# Altium PCB DI544.PcbDoc (part 2 of 7)
Units mil, origin at the board's own origin, x right, y up, seen from the top; angles counter-clockwise.
Board outline 8666.42 x 9192.01 mil, 4 copper layers (Top Layer, Mid-Layer 1, Mid-Layer 2, Bottom Layer), stack 35.6 mil thick; 830 components, 583 nets, 2837 pads, 1326 vias.
Unrouted connection lines stored in the file: 629.
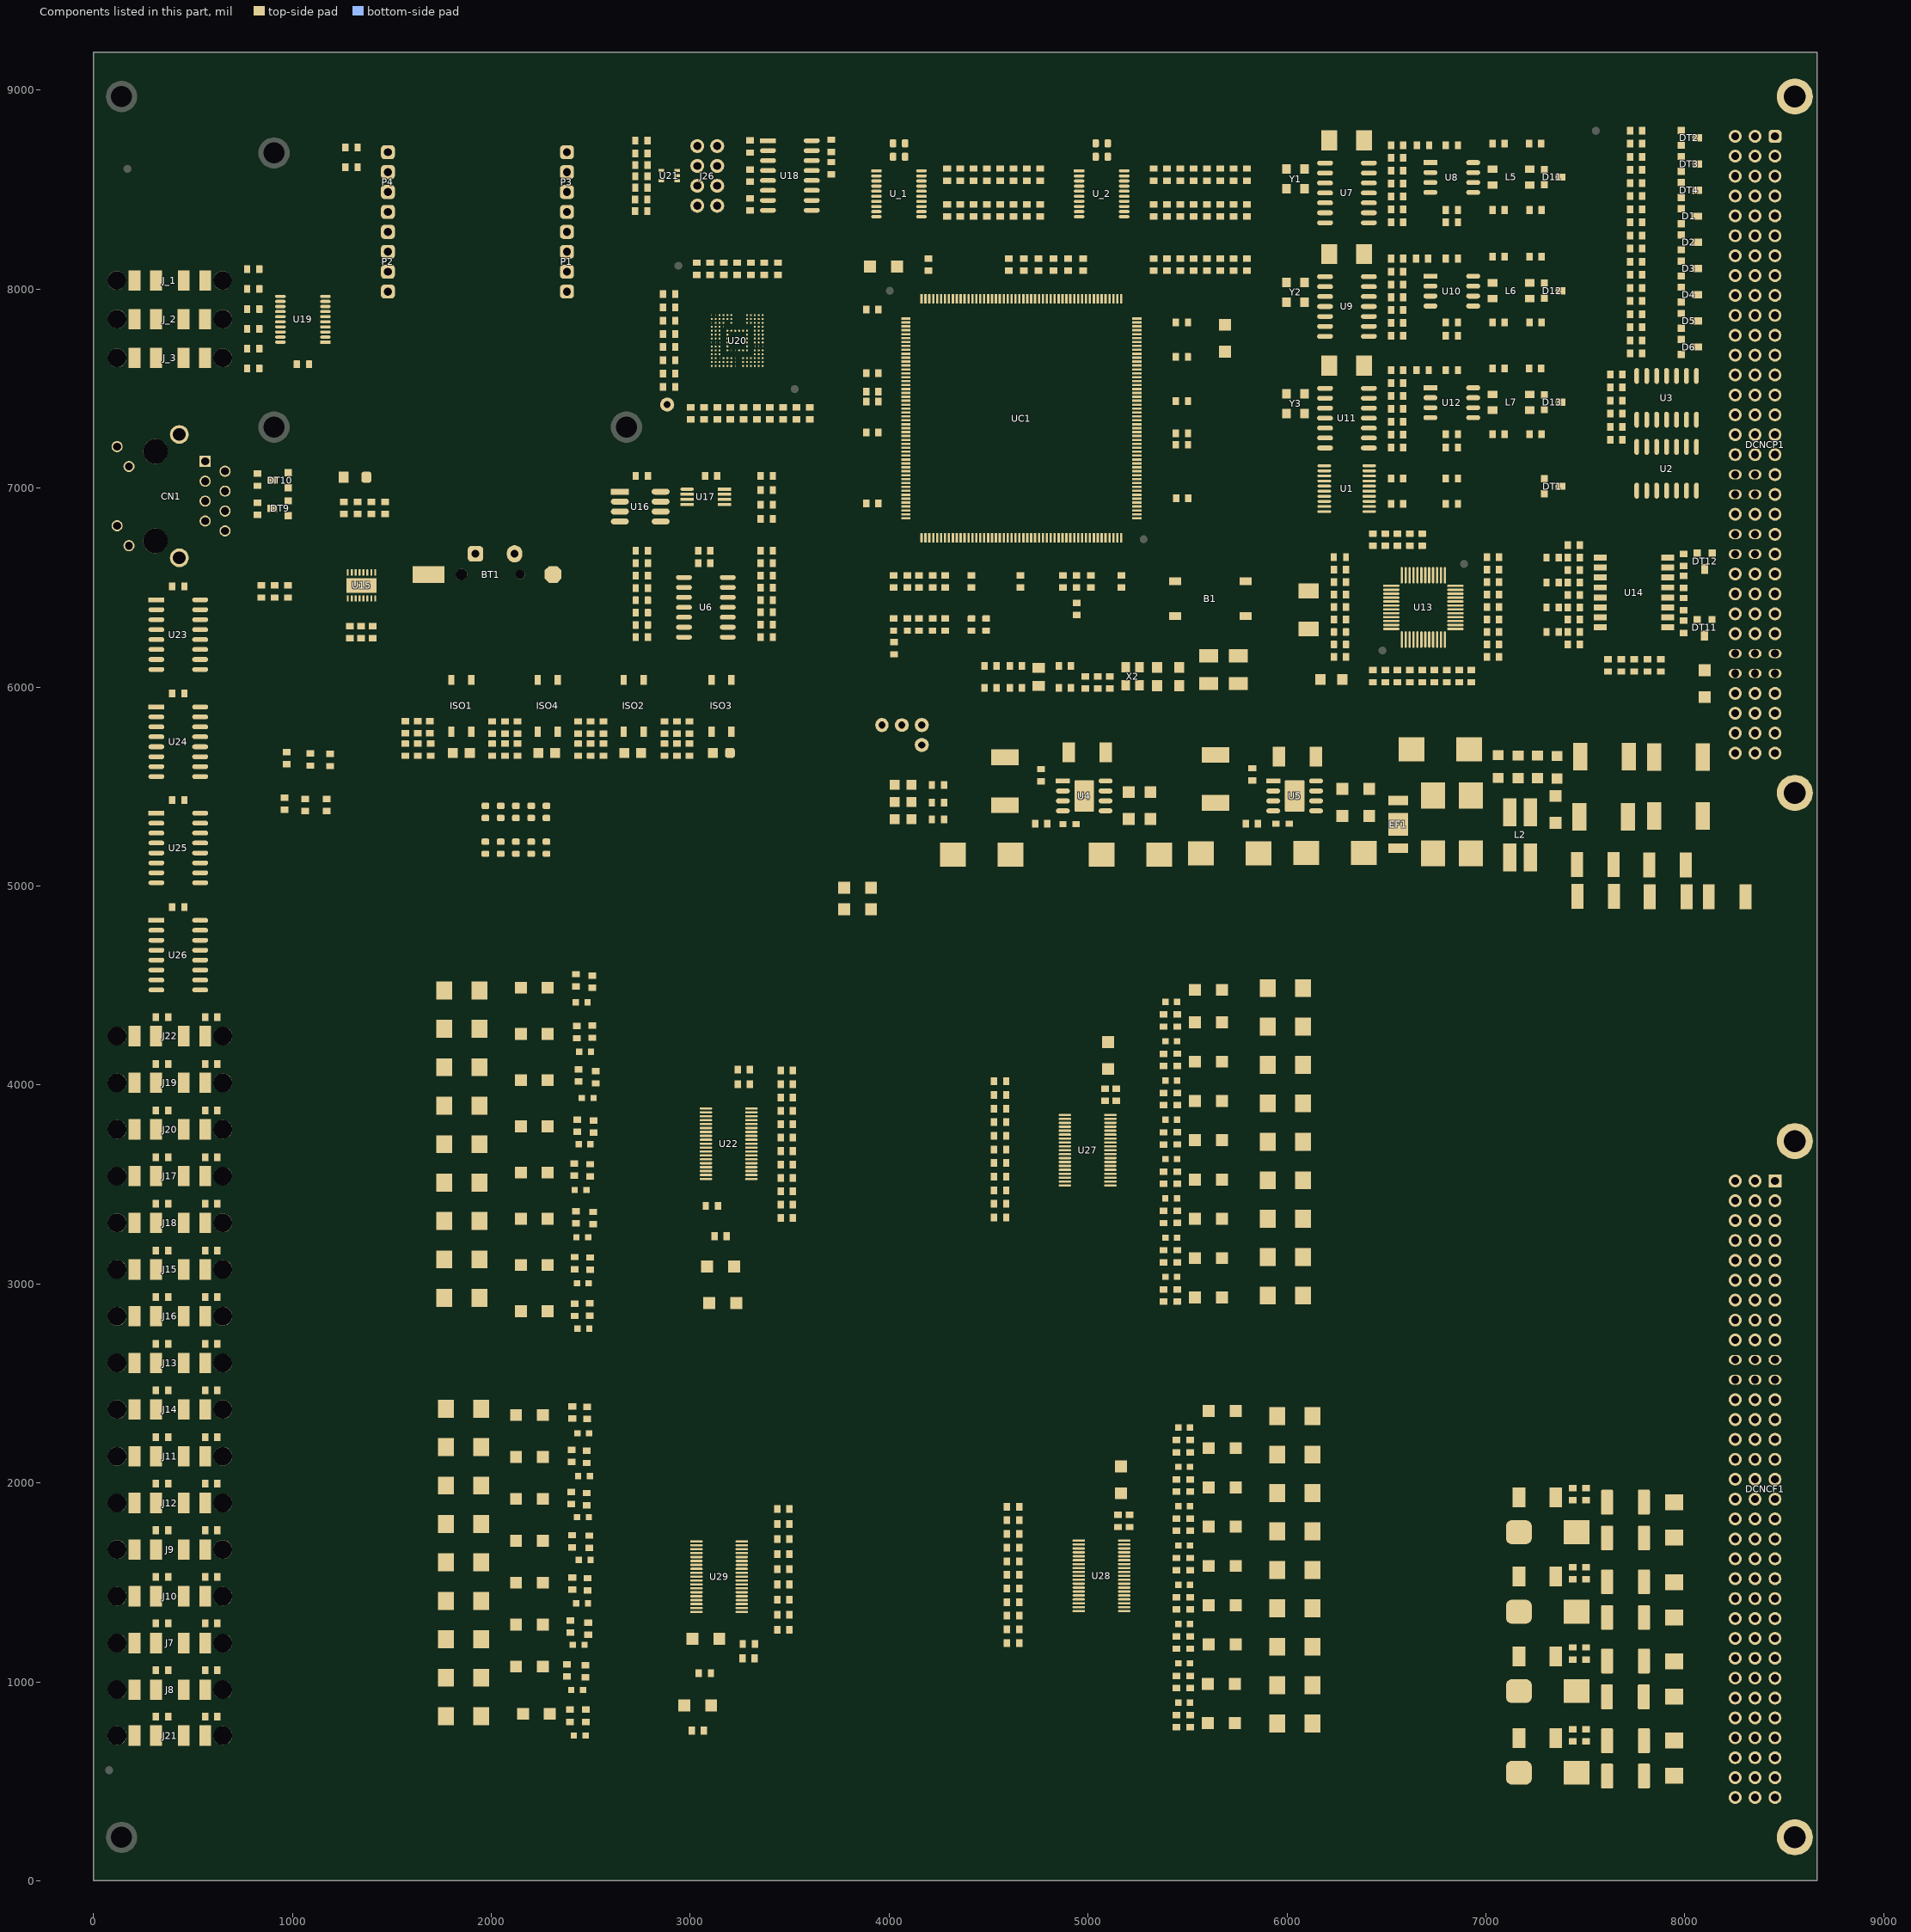
[diagram p4: the components of this part, seen from the top]

## Components (designator, comment, footprint, x,y, rotation, side; value= is the part's Value field where it differs from the comment) (continued)
R354 "1K - 0.5%" "RES 1206" 2027.51,4612.11 r0 top
R355 "1K - 0.5%" "RES 1206" 2027.51,4379.82 r0 top
R356 "1K - 0.5%" "RES 1206" 2027.51,4147.53 r0 top
R357 "1K - 0.5%" "RES 1206" 2027.51,3915.25 r0 top
R358 "1K - 0.5%" "RES 1206" 2027.51,3682.96 r0 top
R359 "1K - 0.5%" "RES 1206" 2027.51,3450.68 r0 top
R360 "1K - 0.5%" "RES 1206" 2027.51,3218.39 r0 top
R361 "1K - 0.5%" "RES 1206" 2027.51,2986.11 r0 top
R362 "4.7K, 1%" "RES 0603"#1 3468.51,1791.23 r180 top
R363 "4.7K, 1%" "RES 0603"#1 3468.51,1867.11 r180 top
R364 "4.7K, 1%" "RES 0603"#1 3468.51,1639.48 r180 top
R365 "1K, 1%" "RES 0603"#1 3468.51,1411.86 r180 top
R366 "1K, 1%" "RES 0603"#1 3467.51,1567.61 r0 top
R367 "1K, 1%" "RES 0603"#1 3468.51,1260.11 r180 top
R368 "1K, 1%" "RES 0603"#1 3467.51,1339.98 r0 top
R369 "4.7K, 1%" "RES 0603"#1 3468.51,1487.73 r180 top
R370 "16K, 1%" "RES 0603"#1 2405.51,2354.11 r90 top
R371 "16K, 1%" "RES 0603"#1 2402.51,2135.11 r90 top
R372 "16K, 1%" "RES 0603"#1 2399.51,1923.11 r90 top
R373 "16K, 1%" "RES 0603"#1 2403.51,1706.11 r90 top
R374 "16K, 1%" "RES 0603"#1 2405.51,1494.11 r90 top
R375 "16K, 1%" "RES 0603"#1 2396.51,1278.11 r90 top
R376 "16K, 1%" "RES 0603"#1 2378.51,1057.11 r90 top
R377 "16K, 1%" "RES 0603"#1 2393.51,829.11 r90 top
R378 "1K - 0.5%" "RES 1206" 2003.51,2464.11 r0 top
R379 "1K - 0.5%" "RES 1206" 2003.51,2253.39 r0 top
R380 "1K - 0.5%" "RES 1206" 2003.51,2042.68 r0 top
R381 "1K - 0.5%" "RES 1206" 2003.51,1831.96 r0 top
R382 "1K - 0.5%" "RES 1206" 2003.51,1621.25 r0 top
R383 "1K - 0.5%" "RES 1206" 2003.51,1410.53 r0 top
R384 "1K - 0.5%" "RES 1206" 2003.51,1199.82 r0 top
R385 "1K - 0.5%" "RES 1206" 2038.51,962.11 r0 top
R386 "0R" "RES 0603"#1 1187,5633 r90 top
R387 "0R" "RES 0603"#1 1088,5635 r90 top
R388 "0R" "RES 0603"#1 970,5642 r90 top
R389 "0R" "RES 0603"#1 1171,5407 r90 top
R390 "0R" "RES 0603"#1 1062,5407 r90 top
R391 "0R" "RES 0603"#1 958,5414 r90 top
RL1 "0R" "RES 0603"#1 5141.13,3951.11 r90 top
RL2 "0R" "RES 0603"#1 5206.13,1808.37 r90 top
RL3 "0R" "RES 0603"#1 3152.51,3242.11 r0 top
RL4 "0R" "RES 0603"#1 3073.51,1045.11 r0 top
RP1 "1K - 0.5%" "RES 1206" 5416.96,4601.1 r0 top
RP2 "1K - 0.5%" "RES 1206" 5486.12,2484.99 r0 top
RP3 "1K - 0.5%" "RES 1206" 3352.51,2781.11 r180 top
RP4 "1K - 0.5%" "RES 1206" 3267.51,1094.11 r180 top
TP1 "Yellow" "TEST Point Yellow"#1 2759.54,7269.93 r90 top
U1 "SN74LVC245A" 74245 6301.03,6997.43 r180 top
U2 "SN74LV14ADR" SO14 8059.25,7207.86 r270 top
U3 "SN74LV14ADR" SO14 8059.25,7564.63 r270 top
U4 "TPS5430DDAR" SOIC8_TERMAL 4981,5453 r0 top
U5 "TPS5430DDAR" SOIC8_TERMAL 6039,5453 r0 top
U6 "CD40106BM96" SO14 2968.55,6551.45 r0 top
U7 "MCP2517FD" SO14 6412.42,8333.53 r180 top
U8 "SN65HVD233D" SOIC8 6721.5,8636.38 r0 top
U9 "MCP2517FD" SO14 6412.42,7762.53 r180 top
U10 "SN65HVD233D" SOIC8 6721.5,8065.38 r0 top
U11 "MCP2517FD" SO14 6412.42,7201.53 r180 top
U12 "SN65HVD233D" SOIC8 6721.5,7504.38 r0 top
U13 "DP83848CVV" LQFP-48_M 6847.23,6292.36 r180 top
U14 "H1102NL" H1102NL 7744.46,6475.84 r0 top
U15 "PCF2131" SON_131TFY_NXP 1347.83,6510.75 r90 top
U16 "CAT24C64WI-GT3" SO8 2646.48,6982.43 r0 top
U17 "TCN75-3.3MUA" MSOP8 2984.29,6994.79 r0 top
U18 "ADM3202ARNZ" SO16 3391.42,8746.3 r0 top
U19 "SN74LV573APWR" TSSOP20 1166.38,7733.82 r180 top
U20 "EMMC04G-MK27-C01C" EMMC 3236.5,7742.12 r0 top value=4GB
U21 "TVS Diodes 25W 6.1V Quad Array" SOT-353 2935.04,8545.28 r180 top
U22 "ISO1228DFBR" SSOP38 3193.51,3705.11 r0 top
U23 "SN74HC595D" SO16 317,6438.64 r0 top
U24 "SN74HC595D" SO16 317,5899.92 r0 top
U25 "SN74HC595D" SO16 317,5366.14 r0 top
U26 "SN74HC595D" SO16 317,4827.43 r0 top
U27 "ISO1228DFBR" SSOP38 4998.02,3672.04 r180 top
U28 "ISO1228DFBR" SSOP38 5068.02,1532.85 r180 top
U29 "ISO1228DFBR" SSOP38 3145.51,1528.91 r0 top
U_1 "SN74LV245APWR" TSSOP20 3936.42,8594.92 r0 top
U_2 "SN74LV245APWR" TSSOP20 4955.62,8594.92 r0 top
UC1 "STM32F769BIT6" LQF208 4689.22,7348.34 r90 top
VDDA "Red" "TEST Point RED"#1 3939.32,5659.24 r90 top
X1 "32.7680KHZ" "Xtal 32.78" 4751.71,6050.29 r270 top
X2 "Crystals 20MHz" "Crystal 20m" 5223.34,6055.29 r90 top
"X 2" "Red" "TEST Point RED"#2 4039.32,5659.24 r90 top
X_C1 "20MHz" CRYSTAL-ABM3 6388.5,8748.08 r180 top
X_C2 "20MHz" CRYSTAL-ABM3 6388.5,8177.08 r180 top
X_C3 "20MHz" CRYSTAL-ABM3 6388.5,7616 r180 top
Y1 "12MHZ" OSC-5X3.2 6089.31,8504.46 r90 top
Y2 "12MHZ" OSC-5X3.2 6089.31,7934.53 r90 top
Y3 "12MHZ" OSC-5X3.2 6089.31,7374.94 r90 top
Y4 "25.0000 MHz" ABM7-3.5X6 6109.25,6387.8 r90 top

## Footprints (in the part's own frame and the unit in brackets; to place one, negate y for a bottom-side part, rotate by r counter-clockwise, add the part's x,y. Pads: shape width x height; smd on the part's side, far side on the other; paste and mask are expansions set on the pad)
3528-21 [mm]
  rect 1.65x2.4 smd: 1(0,0) 2(3.54,0)
  silkscreen extent -1.32,-1.55 4.8,1.55, body extent 0.11,-1.44 3.81,1.49, height 2.03
7343 [mil]
  rect 130x120 smd: 1(0,0) 2(290,0)
  silkscreen extent -86,-85 365,89, body extent 15,-89 315,92, height 157
74245 [mil]
  oval 68.58x14.33 smd: 1(-113.03,115.16) 2(-113.03,89.57) 3(-113.03,63.98) 4(-113.03,38.39) 5(-113.03,12.79) 6(-113.03,-12.8) 7(-113.03,-38.39) 8(-113.03,-63.98) 9(-113.03,-89.57) 10(-113.03,-115.16) 11(113.03,-115.16) 12(113.03,-89.57) 13(113.03,-63.98) 14(113.03,-38.39) 15(113.03,-12.8) 16(113.03,12.79) 17(113.03,38.39) 18(113.03,63.98) 19(113.03,89.57) 20(113.03,115.16)
  silkscreen extent -171,-131 70,131, body extent -126,-128 126,128, height 47
ABM7-3.5X6 [mil]
  rect 75x102 smd mask+2: 1(-95.5,0) 2(95.5,0)
  silkscreen extent -116,-79 114,79, body extent -118,-69 118,69, height 55
ACM4520 [mm]
  rect 1.25x0.95 smd: 1(-2.375,1) 2(-2.375,-1) 3(2.375,-1) 4(2.375,1)
  silkscreen extent -2.35,-2.25 2.35,2.25, body extent -2.26,-1.62 2.36,1.63, height 2.98
"BAT Holder 1220" [mil] "BAT Holder 1220"
  rect 160x85 smd: 1(-163.99,2)
  oct 85x85 smd: 2(461.99,2)
  round 58 hole 58: ""(1.36,2)
  round 47 hole 47: ""(296.64,2)
  Top Layer region: 381.99,-32 381.99,36 390.49,44.5 533.49,44.5 541.99,36 541.99,-32 533.49,-40.5 390.49,-40.5
  Top Layer keep-out circle w1: c1.36,2 r47.25
  Top Layer keep-out circle w1: c296.64,2 r39.37
  silkscreen extent -156,-297 453,301, body extent -226,-286 514,295
"CAP 0603"#1 [mil]
  rect 32x39 smd: 1(-30,-1) 2(31,-1)
  silkscreen extent -55,-30 56,28, body extent -39,-16 39,15, height 31
"CAP 0603"#2 [mil]
  rect 32x37.4 smd: 1(-30,-1) 2(31,-1)
  silkscreen extent -55,-30 56,28, body extent -39,-16 39,15, height 31
"CAP 0603"#3 [mil]
  rrect20% 32x39 smd: 1(-30,-1)
  rect 32x39 smd: 2(31,-1)
  silkscreen extent -55,-30 56,28, body extent -39,-16 39,15, height 31
"CAP 0603"#4 [mil]
  rrect20% 32x39 smd: 1(-30,-1) 2(31,-1)
  silkscreen extent -55,-30 56,28, body extent -39,-16 39,15, height 31
"CAP 0603"#5 [mil]
  rrect30% 32x39 smd: 1(-30,-1) 2(31,-1)
  silkscreen extent -55,-30 56,28, body extent -39,-16 39,15, height 31
"CAP 0603"#6 [mil] "Chip Inductor, Body 0.6x0.3mm, IPC High Density"
  rect 32x39 smd: 1(-30,-1)
  rrect20% 32x39 smd: 2(31,-1)
  silkscreen extent -55,-30 56,28, body extent -39,-16 39,15, height 31
"Cap 1206"#1 [mil] "Cap1206"
  rect 60x60 smd: 1(-370,-78) 2(-235,-78)
  silkscreen extent -412,-121 -193,-34, body extent -382,-111 -224,-48, height 60
"Cap 1206"#2 [mil] "Cap1206"
  rect 60x60 smd: 1(-370,-80) 2(-235,-80)
  silkscreen extent -412,-123 -193,-36, body extent -382,-113 -224,-50, height 60
"CAP 1812"#1 [mil] "CAP 1812"
  rect 60x125 smd: 1(266,-137) 2(451,-137)
  silkscreen extent 224,-212 492,-61, body extent 246,-201 468,-75, height 100
"CAP 1812"#2 [mil] "CAP 1812"
  rrect20% 60x125 smd: 1(266,-137) 2(451,-137)
  silkscreen extent 224,-212 492,-61, body extent 246,-201 468,-75, height 100
"CAP Tantal 7343" [mil] "CAP Tantal 7343"
  rrect50% 130x120 smd: 1(2796,8311)
  rect 130x120 smd: 2(3086,8311)
  silkscreen extent 2710,8217 3161,8406, body extent 2799,8216 3099,8398, height 122
CDRH8D28 [mm]
  rect 2x3.5 smd: 1(0,0) 2(6.116,0)
  silkscreen extent -0.59,-3.35 6.71,3.35, body extent -0.48,-3.32 6.6,3.35, height 2.89
"Crystal 20m" [mil] "Crystals"
  rect 51x43 smd: 1(-46.19,-36.28) 2(44.19,-36.28) 3(44.19,34.28) 4(-46.19,34.28)
  silkscreen extent -89,-76 84,69, body extent -64,-50 62,50, height 24
CRYSTAL-ABM3 [mil]
  rect 80x100 smd: 1(0,0) 2(175,0)
  silkscreen extent -20,-65 194,65, body extent -12,-66 184,60, height 43
"DO-214AA - Unpolarized" [mil]
  rect 80x90 smd: A(0,0) K(177,0)
  silkscreen extent -50,-80 227,82, body extent -21,-77 195,77, height 96
"DO-214AB - Unpolarized" [mm]
  rect 1.8x3.5 smd: A(0,0) K(6.2,0)
  silkscreen extent -1.4,-3.6 7.6,3.6, body extent -0.97,-3.05 7.16,3.05, height 2.4
DO-214AC [mm]
  rect 1.6x2.54 smd mask+0.051: A(0,0) K(4.699,0)
  silkscreen extent -1.14,-1.78 5.84,1.78, body extent -0.31,-1.45 5.19,1.35, height 2.6
DO-219AB#1 [mm]
  rect 1.3x1.4 smd: A(0,0) K(2.9,0)
  silkscreen extent -0.08,-1.07 3.1,1.09, body extent -0.48,-0.95 3.42,0.95, height 1.25
DO-219AB#2 [mm]
  rrect50% 1.3x1.4 smd: A(0,0)
  rect 1.3x1.4 smd: K(2.9,0)
  silkscreen extent -0.08,-1.07 3.1,1.09, body extent -0.48,-0.95 3.42,0.95, height 1.25
DWL7B [mil]
  rect 140x66.93 smd: 1(0,0) 2(0,-104.55) 3(226.73,-104.55) 4(226.73,0)
  silkscreen extent -29,-174 255,70, body extent -25,-170 251,66, height 138
EMMC [mm]
  oval 0x0.254 smd paste+0 mask+0: A1(-3.25,3.25) A2(-2.75,3.25) C1(-3.25,2.25) D4(-1.75,1.75) H1(-3.25,-0.25) H2(-2.75,-0.25) H3(-2.25,-0.25) J12(2.25,-0.75) J13(2.75,-0.75) J14(3.25,-0.75) K6(-0.75,-1.25) K7(-0.25,-1.25) M3(-2.25,-2.25) M7(-0.25,-2.25) N7(-0.25,-2.75) P7(-0.25,-3.25)
  round 0.254 smd paste+0 mask+0: A3(-2.25,3.25) A4(-1.75,3.25) A5(-1.25,3.25) A6(-0.75,3.25) A10(1.25,3.25) A11(1.75,3.25) A12(2.25,3.25) A13(2.75,3.25) A14(3.25,3.25) B1(-3.25,2.75) B2(-2.75,2.75) B3(-2.25,2.75) B4(-1.75,2.75) B5(-1.25,2.75) B6(-0.75,2.75) B10(1.25,2.75) B11(1.75,2.75) B12(2.25,2.75) B13(2.75,2.75) B14(3.25,2.75) C2(-2.75,2.25) C3(-2.25,2.25) C10(1.25,2.25) C11(1.75,2.25) C12(2.25,2.25) C13(2.75,2.25) C14(3.25,2.25) D1(-3.25,1.75) D2(-2.75,1.75) D3(-2.25,1.75) D12(2.25,1.75) D13(2.75,1.75) D14(3.25,1.75) E1(-3.25,1.25) E2(-2.75,1.25) E3(-2.25,1.25) E5(-1.25,1.25) E7(-0.25,1.25) E8(0.25,1.25) E9(0.75,1.25) E10(1.25,1.25) E12(2.25,1.25) E13(2.75,1.25) E14(3.25,1.25) F1(-3.25,0.75) F2(-2.75,0.75) F3(-2.25,0.75) F5(-1.25,0.75) F10(1.25,0.75) F12(2.25,0.75) F13(2.75,0.75) F14(3.25,0.75) G5(-1.25,0.25) G10(1.25,0.25) G12(2.25,0.25) G13(2.75,0.25) G14(3.25,0.25) H5(-1.25,-0.25) H10(1.25,-0.25) H12(2.25,-0.25) H13(2.75,-0.25) H14(3.25,-0.25) J5(-1.25,-0.75) J10(1.25,-0.75) K1(-3.25,-1.25) K2(-2.75,-1.25) K3(-2.25,-1.25) K5(-1.25,-1.25) K8(0.25,-1.25) K9(0.75,-1.25) K10(1.25,-1.25) K12(2.25,-1.25) K13(2.75,-1.25) K14(3.25,-1.25) L1(-3.25,-1.75) L2(-2.75,-1.75) L3(-2.25,-1.75) L12(2.25,-1.75) L13(2.75,-1.75) L14(3.25,-1.75) M1(-3.25,-2.25) M2(-2.75,-2.25) M4(-1.75,-2.25) M5(-1.25,-2.25) M6(-0.75,-2.25) M9(0.75,-2.25) M10(1.25,-2.25) M11(1.75,-2.25) M12(2.25,-2.25) M13(2.75,-2.25) M14(3.25,-2.25) N1(-3.25,-2.75) N2(-2.75,-2.75) N3(-2.25,-2.75) N5(-1.25,-2.75) N6(-0.75,-2.75) N9(0.75,-2.75) N10(1.25,-2.75) N11(1.75,-2.75) N12(2.25,-2.75) N13(2.75,-2.75) N14(3.25,-2.75) P1(-3.25,-3.25) P2(-2.75,-3.25) P3(-2.25,-3.25) P4(-1.75,-3.25) P6(-0.75,-3.25) P9(0.75,-3.25) P10(1.25,-3.25) P11(1.75,-3.25) P12(2.25,-3.25) P13(2.75,-3.25) P14(3.25,-3.25)
  oval 0.23x0.254 smd paste+0 mask+0: C4(-1.75,2.25)
  oval 0.23x0.24 smd paste+0 mask+0: C6(-0.75,2.25)
  oval 0.254x0.24 smd paste+0 mask+0: E6(-0.75,1.25) G1(-3.25,0.25) G2(-2.75,0.25) G3(-2.25,0.25) J1(-3.25,-0.75) J2(-2.75,-0.75) J3(-2.25,-0.75)
  oval 0.254x0 smd paste+0 mask+0: M8(0.25,-2.25)
  round 0.25 smd paste+0 mask+0: N4(-1.75,-2.75) P5(-1.25,-3.25)
  oval 0.2x0 smd paste+0 mask+0: N8(0.25,-2.75) P8(0.25,-3.25)
  silkscreen extent -6.06,-6.81 6.06,6.81, body extent -5.8,-6.55 5.8,6.55, height 0.99
EURO2.54-2H96#1 [mm] "Connector; DIN 41612, Type C, Thru-Hole; Rows a+b+c, 96 Position; Right Angle"
  round 4.6 hole 2.8: 33(-5.08,2.54) 34(83.82,2.54)
  rect 1.65x1.65 hole 1: A1(0,0)
  round 1.65 hole 1: A2(2.54,0) A3(5.08,0) A4(7.62,0) A5(10.16,0) A6(12.7,0) A7(15.24,0) A8(17.78,0) A9(20.32,0) A12(27.94,0) A13(30.48,0) A14(33.02,0) A15(35.56,0) A16(38.1,0) A17(40.64,0) A18(43.18,0) A19(45.72,0) A20(48.26,0) A21(50.8,0) A22(53.34,0) A23(55.88,0) A24(58.42,0) A25(60.96,0) A26(63.5,0) A27(66.04,0) A28(68.58,0) A29(71.12,0) A30(73.66,0) A31(76.2,0) A32(78.74,0) B1(0,-2.54) B2(2.54,-2.54) B3(5.08,-2.54) B4(7.62,-2.54) B5(10.16,-2.54) B6(12.7,-2.54) B7(15.24,-2.54) B8(17.78,-2.54) B9(20.32,-2.54) B12(27.94,-2.54) B13(30.48,-2.54) B14(33.02,-2.54) B15(35.56,-2.54) B16(38.1,-2.54) B17(40.64,-2.54) B18(43.18,-2.54) B19(45.72,-2.54) B20(48.26,-2.54) B21(50.8,-2.54) B22(53.34,-2.54) B23(55.88,-2.54) B24(58.42,-2.54) B27(66.04,-2.54) B28(68.58,-2.54) B31(76.2,-2.54) B32(78.74,-2.54) C1(0,-5.08) C2(2.54,-5.08) C3(5.08,-5.08) C4(7.62,-5.08) C5(10.16,-5.08) C6(12.7,-5.08) C7(15.24,-5.08) C8(17.78,-5.08) C9(20.32,-5.08) C12(27.94,-5.08) C13(30.48,-5.08) C14(33.02,-5.08) C15(35.56,-5.08) C16(38.1,-5.08) C17(40.64,-5.08) C18(43.18,-5.08) C19(45.72,-5.08) C20(48.26,-5.08) C21(50.8,-5.08) C22(53.34,-5.08) C23(55.88,-5.08) C24(58.42,-5.08) C27(66.04,-5.08) C28(68.58,-5.08) C31(76.2,-5.08) C32(78.74,-5.08)
  oval 1.27x1.65 hole 1: A10(22.86,0) A11(25.4,0) B10(22.86,-2.54) B11(25.4,-2.54) C10(22.86,-5.08) C11(25.4,-5.08)
  oval 1.626x1.651 hole 1: B25(60.96,-2.54) B26(63.5,-2.54) B29(71.12,-2.54) C25(60.96,-5.08) C26(63.5,-5.08) C29(71.12,-5.08)
  oval 1.626x1.65 hole 1: B30(73.66,-2.54) C30(73.66,-5.08)
  silkscreen extent -7.63,-0.5 86.37,12.64, body extent -7.63,-5.31 86.37,12.72, height 11.1
EURO2.54-2H96#2 [mm] "Connector; DIN 41612, Type C, Thru-Hole; Rows a+b+c, 96 Position; Right Angle"
  round 4.6 hole 2.8: 33(-5.08,2.54) 34(83.82,2.54)
  rrect50% 1.65x1.65 hole 1: A1(0,0)
  round 1.65 hole 1: A2(2.54,0) A3(5.08,0) A4(7.62,0) A5(10.16,0) A6(12.7,0) A7(15.24,0) A8(17.78,0) A9(20.32,0) A10(22.86,0) A11(25.4,0) A12(27.94,0) A13(30.48,0) A14(33.02,0) A15(35.56,0) A16(38.1,0) A17(40.64,0) A18(43.18,0) A19(45.72,0) A20(48.26,0) A21(50.8,0) A22(53.34,0) A23(55.88,0) A24(58.42,0) A25(60.96,0) A26(63.5,0) A29(71.12,0) A30(73.66,0) A31(76.2,0) A32(78.74,0) B1(0,-2.54) B2(2.54,-2.54) B3(5.08,-2.54) B4(7.62,-2.54) B5(10.16,-2.54) B6(12.7,-2.54) B7(15.24,-2.54) B8(17.78,-2.54) B9(20.32,-2.54) B10(22.86,-2.54) B11(25.4,-2.54) B12(27.94,-2.54) B13(30.48,-2.54) B14(33.02,-2.54) B15(35.56,-2.54) B16(38.1,-2.54) B17(40.64,-2.54) B20(48.26,-2.54) B23(55.88,-2.54) B24(58.42,-2.54) B25(60.96,-2.54) B26(63.5,-2.54) B29(71.12,-2.54) B30(73.66,-2.54) B31(76.2,-2.54) B32(78.74,-2.54) C1(0,-5.08) C2(2.54,-5.08) C3(5.08,-5.08) C4(7.62,-5.08) C5(10.16,-5.08) C6(12.7,-5.08) C7(15.24,-5.08) C8(17.78,-5.08) C9(20.32,-5.08) C10(22.86,-5.08) C11(25.4,-5.08) C12(27.94,-5.08) C13(30.48,-5.08) C14(33.02,-5.08) C15(35.56,-5.08) C16(38.1,-5.08) C17(40.64,-5.08) C20(48.26,-5.08) C23(55.88,-5.08) C24(58.42,-5.08) C25(60.96,-5.08) C26(63.5,-5.08) C29(71.12,-5.08) C30(73.66,-5.08) C31(76.2,-5.08) C32(78.74,-5.08)
  oval 1.143x1.65 hole 1: A27(66.04,0) A28(68.58,0) B27(66.04,-2.54) B28(68.58,-2.54) C27(66.04,-5.08) C28(68.58,-5.08)
  oval 1.245x1.65 hole 1: B18(43.18,-2.54) B19(45.72,-2.54) B21(50.8,-2.54) B22(53.34,-2.54) C18(43.18,-5.08) C19(45.72,-5.08) C21(50.8,-5.08) C22(53.34,-5.08)
  silkscreen extent -7.63,-0.5 86.37,12.64, body extent -7.63,-5.31 86.37,12.72, height 11.1
Fuse1206 [mil]
  rect 60x60 smd: 1(-2,-1) 2(133,-1)
  silkscreen extent -44,-44 175,43, body extent 4,-34 126,28, height 24
H1102NL [mil]
  rect 65.35x29.92 smd: 1(-170,175) 2(-170,125) 3(-170,75) 4(-170,25) 5(-170,-25) 6(-170,-75) 7(-170,-125) 8(-170,-175) 9(170,-175) 10(170,-125) 11(170,-75) 12(170,-25) 13(170,25) 14(170,75) 15(170,125) 16(170,175)
  silkscreen extent -178,-250 140,250, body extent -195,-256 195,236, height 215
"Header 1x4/M/ST" [mil]
  rrect50% 70x70 hole 40: 1(-150,0) 2(-50,0) 3(50,0) 4(150,0)
  silkscreen extent -198,-50 202,50, body extent -198,-50 202,50, height 362
"Header 2x4/F/2.54/ST" [mil]
  round 70 hole 40: 1(600,-100) 2(600,0) 3(700,-100) 4(700,0) 5(800,-100) 6(800,0) 7(900,-100) 8(900,0)
  silkscreen extent 550,-150 950,50, body extent 545,-150 955,47, height 335
"Indicator 0603" [mil] "Indicator 0603"
  rect 32x39 smd: 1(-2,-1) 2(59,-1)
  silkscreen extent -27,-30 84,28, body extent -3,-21 59,18, height 16
LayerN4 [mil]
  Top Layer region: 1,-1 99.43,-1 99.43,156.48 1,156.48
  Top Layer region: 418,-0.86 811.7,-0.86 811.7,314.1 418,314.1
  Mid-Layer 1 region: 198,-1 296.43,-1 296.43,156.48 198,156.48
  Mid-Layer 1 region: 418,-0.86 811.7,-0.86 811.7,314.1 418,314.1
  Mid-Layer 2 region: 99.57,-1 198,-1 198,156.48 99.57,156.48
  Mid-Layer 2 region: 418,-0.86 811.7,-0.86 811.7,314.1 418,314.1
  Bottom Layer region: 296.28,-1 394.7,-1 394.7,156.48 296.28,156.48
  Bottom Layer region: 418,-0.86 811.7,-0.86 811.7,314.1 418,314.1
  Multi-Layer lines w8: 1,314 1,302 1,212 394.7,212 394.7,314 1,314
"LED 0603 - Green" [mm] "LED 0603"
  rect 0.8x0.8 smd: 1(-0.671,-0.022) 2(0.829,-0.022)
  silkscreen extent -1.45,-0.72 1.6,0.68, body extent -0.72,-0.42 0.88,0.38, height 0.6
LED-0805#1 [mil]
  rect 50x50 smd: A(0,0) K(85,0)
  silkscreen extent -38,-38 123,38, body extent 2,-25 80,25, height 16
LED-0805#2 [mil]
  rrect50% 50x50 smd: A(0,0)
  rect 50x50 smd: K(85,0)
  silkscreen extent -38,-38 123,38, body extent 2,-25 80,25, height 16
LEDT670 [mm]
  rect 1.5x2.6 smd: A(-1.375,0) K(1.375,0)
  silkscreen extent -1.85,-1.5 2.49,1.5, body extent -1.75,-1.43 1.75,1.37, height 1.9
LightGuide2 [mm]
  round 2.4 hole 2.4: 0(0,0) 0(13.5,0)
  rect 1.5x2.6 on Mech1: A1(8.525,0) A2(2.225,0) K1(11.275,0) K2(4.975,0)
  silkscreen extent -2.1,-1.5 15.5,1.5, body extent -8.18,-1.5 15.48,1.5, height 9.58
LQF208 [mm] "LQF208"
  oval 1.2x0.3 smd: 1(-15.189,13.36)
  rect 1.2x0.3 smd: 2(-15.189,12.86) 3(-15.189,12.36) 4(-15.189,11.86) 5(-15.189,11.36) 6(-15.189,10.86) 7(-15.189,10.36) 8(-15.189,9.86) 9(-15.189,9.36) 10(-15.189,8.86) 11(-15.189,8.36) 12(-15.189,7.86) 13(-15.189,7.36) 14(-15.189,6.86) 15(-15.189,6.36) 16(-15.189,5.86) 17(-15.189,5.36) 18(-15.189,4.86) 19(-15.189,4.36) 20(-15.189,3.86) 21(-15.189,3.36) 22(-15.189,2.86) 23(-15.189,2.36) 24(-15.189,1.86) 25(-15.189,1.36) 26(-15.189,0.86) 27(-15.189,0.36) 28(-15.189,-0.14) 29(-15.189,-0.64) 30(-15.189,-1.14) 31(-15.189,-1.64) 32(-15.189,-2.14) 33(-15.189,-2.64) 34(-15.189,-3.14) 35(-15.189,-3.64) 36(-15.189,-4.14) 37(-15.189,-4.64) 38(-15.189,-5.14) 39(-15.189,-5.64) 40(-15.189,-6.14) 41(-15.189,-6.64) 42(-15.189,-7.14) 43(-15.189,-7.64) 44(-15.189,-8.14) 45(-15.189,-8.64) 46(-15.189,-9.14) 47(-15.189,-9.64) 48(-15.189,-10.14) 49(-15.189,-10.64) 50(-15.189,-11.14) 51(-15.189,-11.64) 52(-15.189,-12.14) 105(15.311,-12.14) 106(15.311,-11.64) 107(15.311,-11.14) 108(15.311,-10.64) 109(15.311,-10.14) 110(15.311,-9.64) 111(15.311,-9.14) 112(15.311,-8.64) 113(15.311,-8.14) 114(15.311,-7.64) 115(15.311,-7.14) 116(15.311,-6.64) 117(15.311,-6.14) 118(15.311,-5.64) 119(15.311,-5.14) 120(15.311,-4.64) 121(15.311,-4.14) 122(15.311,-3.64) 123(15.311,-3.14) 124(15.311,-2.64) 125(15.311,-2.14) 126(15.311,-1.64) 127(15.311,-1.14) 128(15.311,-0.64) 129(15.311,-0.14) 130(15.311,0.36) 131(15.311,0.86) 132(15.311,1.36) 133(15.311,1.86) 134(15.311,2.36) 135(15.311,2.86) 136(15.311,3.36) 137(15.311,3.86) 138(15.311,4.36) 139(15.311,4.86) 140(15.311,5.36) 141(15.311,5.86) 142(15.311,6.36) 143(15.311,6.86) 144(15.311,7.36) 145(15.311,7.86) 146(15.311,8.36) 147(15.311,8.86) 148(15.311,9.36) 149(15.311,9.86) 150(15.311,10.36) 151(15.311,10.86) 152(15.311,11.36) 153(15.311,11.86) 154(15.311,12.36) 155(15.311,12.86) 156(15.311,13.36)